# Allegro board C000PD020-3399PRO-DMEB-A-A01.brd (continued)
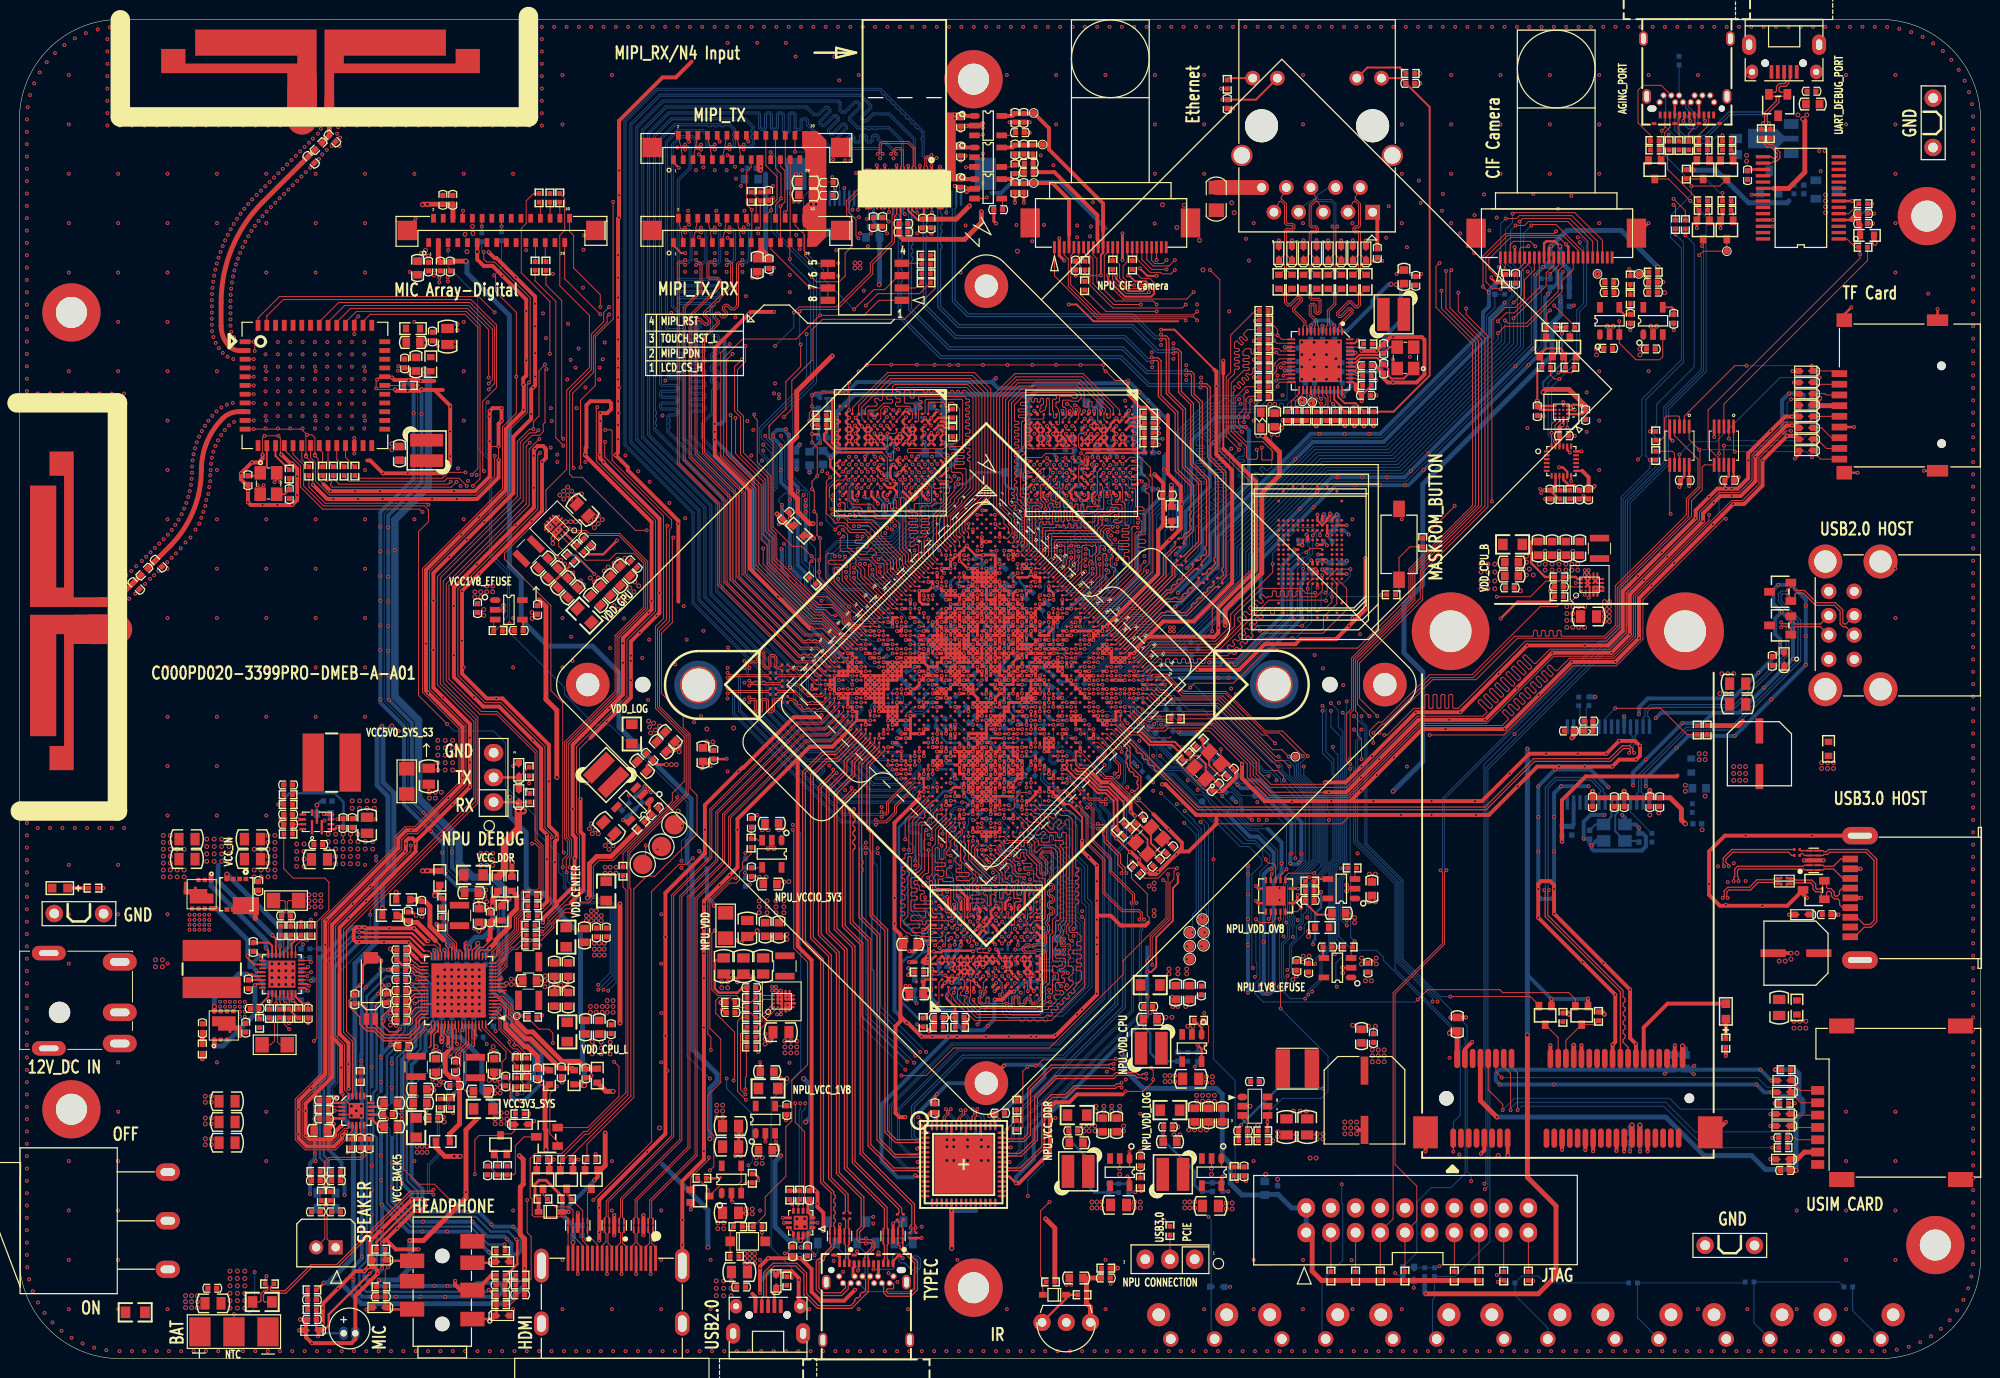
[diagram p0: board, top side]
## Routing (per net, layer and track width the routed paths; a pad name or vN(x,y) marks a point on that pad's centre or on a via; arc(x,y) is an arc through that point) (continued)
DVDD3V3_HUB: length 3.1
  TOP w0.508: FB2800.1 C2804.1 159.89,64.01 v1(159.74,63.87)
  BOTTOM w0.406: U2800.16 159.93,64.05 v1(159.74,63.87)
GND: length 6099.5
  TOP w0.089: 107.77,61.08 v1(107.76,61.08) ; v1(109.14,62.46) 109.14,62.44 110.41,61.17
  TOP w0.102: v1(25.02,93.03) 25.02,94.75 v1(25.22,94.96) v1(26.64,94.96) 26.85,94.75 26.85,93.13 v1(26.95,93.03) ; U3600.T3 104.76,96.29 v1(104.43,95.96) ; U6100.11 v1(24.1,95.64) 29.01,95.64 v1(29.59,95.06) ; U3600.E6 111.91,94.03 111.91,94.03 ; v2(48.95,27.32) v2(49.45,27.32) v2(49.45,27.93) v2(48.95,27.93) ; 76.54,49.23 76.54,49.31 76.77,49.54 v2(76.84,49.54) ; 76.54,49.23 C2243.2 76.54,48.62 ; 76.54,49.23 76.23,49.54 v2(76.12,49.54) 76.07,49.6 C2248.2 ; C2215.2 116.6,35.88 v2(116.87,35.62) ; v2(113.61,23.43) 113.52,23.34 C2233.2 ; C2221.2 v2(119.2,23.84) ; U3600.G4 110.6,95.56 ; C9001.2 161.26,88.46 v1(160.96,88.76) 160.66,88.46 C9004.2 ; 139.3,40.92 v2(139.62,40.6) ; 139.3,40.92 139.33,40.92 v2(139.62,41.21) ; 139.3,40.92 138.42,40.92 ; U3600.H10 109.96,90.76 ; 26.48,90.55 26.48,90.42 v1(26.24,90.18) ; 26.48,90.55 v1(26.85,90.18) ; 26.48,90.55 Y6100.4 ; R5105.1 93.74,112.17 v1(93.7,112.13) 93.74,112.08 R5103.1 ; v1(114.27,52.13) 114.02,51.88 114.02,50.46 114.43,50.05 114.43,49.44 116.05,47.81 116.05,45.58 116.26,45.38 116.26,44.97 116.15,44.87 ; v1(85.37,97.59) 85.37,99.42 85.29,99.5 85.29,99.6 ; v1(72.06,125.23) 71.8,125.49 J5100.10 ; C2231.2 v2(109.55,23.43) 109.44,23.32 C2230.2 ; U3600.F6 111.26,94.03 111.25,94.03 ; ED8302.2 v1(180.26,27.4) ; C4723.2 v1(165.76,105.83) ; v2(113.21,19.57) 113.22,19.58 U2205.2 ; C2216.2 120.4,36.61 v2(120.02,36.23) ; U3600.D3 112.56,96.43 112.56,96.43 ; v2(120.73,34.2) 120.64,34.12 U2202.2 ; C9604.2 132.06,40.85 ; 132.06,40.85 131.81,41.1 131.79,41.1 ; 132.06,40.85 v2(132.11,40.8) ; v1(49.3,92.47) v1(49.3,93.86) 48.64,93.86 48.39,93.61 ; U6100.6 v1(24.1,100.14) ; 120.2,60.29 122.03,58.46 122.74,58.46 C1102.2 ; 120.2,60.29 119,61.5 119,61.99 119.1,61.99 v1(119.1,62.03) ; 120.2,60.29 120.75,60.84 Y1100.4 ; C2012.2 v2(33.3,53.96) v2(33.3,53.2) ; v1(153.39,109.99) 153.39,110.04 153.95,110.6 C4702.2 ; v1(72.87,123.81) 73.08,123.81 73.3,123.58 J5100.13 ; v1(114.07,100.64) 112.75,100.64 111.53,101.86 v1(111.53,102.25) v1(109.18,102.25) v1(106.68,102.25) v1(104.22,102.25) v1(101.68,102.25) v1(99.14,102.25) v1(96.6,102.25) v1(95.7,102.25) v1(94.16,102.25) 92.36,102.25 v1(92.34,102.27) v1(89.71,102.27) 87.17,102.27 v1(87.17,102.22) v1(85.38,100.42) 85.29,100.34 85.29,99.6 ; 163.63,105.85 163.63,106 v2(163.4,106.23) ; 163.63,105.85 U4701.2 ; 163.63,105.85 v2(164.01,106.23) ; v2(76.43,54.42) 76.72,54.71 76.72,54.74 ; v1(117.22,95.76) v1(117.22,96.4) 117.22,96.93 ; R2037.1 25.28,8.25 25.43,8.39 v1(25.43,8.49) ; v2(67.89,62.95) 67.89,63.02 C2276.2 ; 85.29,99.6 85.14,99.45 v1(85.06,99.45) v1(84.23,99.45) v1(82.78,99.45) 81.89,99.45 v1(81.56,99.12) v1(81.56,98) 81.56,97.59 81.28,97.31 81.28,96.8 81.56,96.53 v1(81.56,96.07) v1(81.56,95.15) 81.56,94.29 v1(81.59,94.26) 82.09,93.76 v1(82.09,90.8) 81.56,90.27 v1(81.56,89.46) 81.79,89.24 v1(81.79,87.15) 82.07,86.87 82.07,84.74 v1(82.4,84.41) 82.4,82.28 v1(82.3,82.17) v1(82.3,80.94) 82.3,80.35 85.26,77.38 v1(85.37,77.38) 85.37,77.27 85.85,76.79 85.95,76.79 v1(86.67,76.08) ; v1(34.45,94.74) U6100.23 v1(34.45,93.14) ; v1(85.24,72.57) 82.67,75.14 v1(81.51,75.14) ; C8312.2 137.6,33.88 v2(137.19,34.3) ; v1(38.33,100.95) 38.24,101.04 U6100.32 37.1,101.04 v1(36.8,100.75) 36.7,100.65 v1(36.7,99.83) 36.8,99.83 36.91,99.73 v1(38.63,99.73) ; C2607.2 80.55,10.58 v1(80.29,10.32) 80.03,10.58 C2606.2 ; v2(47.78,77.07) 47.48,76.78 47.47,76.78 ; v1(126.42,96.87) 126.42,97.19 126.62,97.39 126.62,98.41 126.72,98.51 v1(126.72,98.61) ; 30.4,93.03 30.4,94.75 30.1,95.06 v1(29.59,95.06) ; v1(151.21,109.69) v1(150.6,110.3) 150.6,113.45 152.93,115.78 157.91,115.78 v1(158.12,115.99) ; U3600.R4 105.41,95.61 105.41,95.61 ; 136.98,55.94 136.07,55.03 123.16,55.03 ; C7500.2 40.45,111.53 v1(40.16,111.82) ; R7510.1 35.07,29.92 v1(35.18,30.03) ; v2(136.17,40.22) 136.4,40.22 ; 136.4,40.22 136.17,39.99 v2(136.17,39.69) ; 136.4,40.22 U9601.2 ; v1(116.76,65.29) 117.07,65.59 117.98,65.59 118.19,65.39 122.91,65.39 126.95,61.35 126.95,60.07 128.74,58.28 134.34,58.28 ; v1(39.34,24.65) 39.29,24.65 38.93,24.29 C7516.2 ; C9605.2 132.66,41.36 v2(132.72,41.41) ; U2208.2 77.42,52.87 ; 77.42,52.87 77.42,52.72 v2(77.65,52.49) ; 77.42,52.87 v2(77.04,52.49) ; v1(101.18,40.25) 101.44,40.51 ; U9600.2 49.58,77.05 ; 49.58,77.05 49.81,77.28 v2(49.81,77.48) ; 49.58,77.05 49.73,77.05 v2(49.81,76.97) ; U3600.T5 104.76,94.83 ; v1(152.32,111.72) 152.83,112.23 152.83,112.33 152.89,112.38 J4700.2 ; D8901.1 76.41,12.39 v1(76.41,12.96) R2613.2 ; U6100.3 v1(24.1,102.84) ; v1(30.4,92.92) 30.71,92.62 30.71,90.56 31.29,89.98 ; 107.49,94.03 107.43,94.03 U3600.M6 ; v2(169.29,109.69) 169.24,109.74 C4704.2 ; v1(114.33,64.98) 114.43,64.88 115.44,64.88 116.46,63.87 118.34,63.87 118.49,64.02 ; C2238.2 75.12,39.57 v2(75.51,39.18) ; C3648.2 116.65,93.4 R3609.2 117.07,94.24 v1(117.27,94.04) ; 30.2,89.92 30.2,92.11 v1(29.48,92.83) ; U2203.2 122.67,19.58 v2(122.66,19.57) ; 24.78,89.53 Y6100.2 ; 24.78,89.53 24.78,89.61 v1(24.51,89.88) ; 24.78,89.53 v1(25.12,89.88) ; v1(159.13,114.67) 158.42,115.38 153.44,115.38 151.21,113.14 151.21,112.13 152.17,111.16 v1(152.27,111.16) ; v1(121.16,37.25) 121.34,37.43 C1069.2 ; R7511.1 34.09,21.53 v1(33.76,21.19) ; v1(126.16,95.87) 125.81,95.87 125.45,96.23 v1(125.45,96.87) 125.45,97.14 126.01,97.7 126.01,99.22 v1(126.31,99.53) ; C1113.2 118.63,52.65 v1(118.29,53) 117.81,53.48 Y1101.4 ; C4720.2 v1(170.23,105.83) ; v2(49.45,28.43) 49.25,28.64 v2(48.95,28.64) v2(48.34,28.64) ; v2(42.65,28.13) 42.7,28.18 v2(43.21,28.18) 43.46,28.43 v2(43.66,28.43) 43.36,28.74 v2(43.15,28.74) ; C7511.2 30.46,26.17 v1(30.4,26.17) ; 157.92,79.41 157.4,79.41 ; C8315.2 v1(180.37,22.72) ; D6504.2 v1(133.47,115.07) ; 105.41,94.83 105.41,94.83 U3600.R5 ; C2281.2 v2(115.34,21.3) ; 117.22,96.93 v1(117.25,96.93) ; 117.22,96.93 v1(117.22,97.49) ; v2(136.58,48.12) 136.8,48.35 136.96,48.35 ; U3600.R6 105.41,93.96 ; v1(51.54,59.09) 51.38,58.94 ED1300.2 ; C7512.2 38.47,25.21 39.09,25.21 39.24,25.06 v1(39.34,25.06) ; v2(122.15,28.41) 121.77,28.79 C2212.2 ; v2(138.1,41.21) 138.39,40.92 138.42,40.92 ; C4707.2 164.05,110.24 v2(164.01,110.2) 164.08,110.13 C4708.2 ; U6100.4 v1(24.1,101.94) ; v1(152.12,7.88) 152.28,8.04 R9734.1 ; 131.79,41.1 v2(132.11,41.41) ; 131.79,41.1 131.45,41.1 ; v1(33.25,27.24) 33.25,26.88 v2(34.16,25.97) ; C2036.2 v1(29.71,34.52) ; 92.13,40.79 C3111.2 ; C4802.2 v1(108.69,111.43) ; U3600.G3 110.6,96.36 ; C9021.2 108.04,7.77 v1(108.23,7.58) ; v2(139.52,34.2) 139.32,34 C8313.2 ; D6505.2 v1(132.12,115.07) ; R6517.2 139.12,101.15 v1(139.62,100.65) ; v1(75.01,125.23) 74.8,125.44 J5100.16 ; D6507.2 v1(129.58,115.07) ; C2015.2 34.24,54.14 v2(34.06,53.96) v2(34.06,53.2) ; U6100.7 v1(24.1,99.24) ; D9100.2 183.2,97.79 v1(182.7,97.29) ; v1(29.59,95.06) 29.48,94.95 29.48,92.96 ; v1(123.63,62.69) Y1100.2 ; R2221.2 132.33,49.15 v1(132.72,49.54) ; U3600.F12 111.25,89.16 ; v2(137.39,45.38) 136.93,45.83 C2234.2 ; C2232.2 110.76,23.34 v2(110.67,23.43) ; U6100.5 v1(24.1,101.04) ; 76.72,54.74 C2242.2 ; 76.72,54.74 v2(77.04,54.42) ; U2204.2 136.96,48.35 ; 136.96,48.35 v2(136.58,48.73) ; J2600.E7 v1(88.39,10.93) ; v2(138.1,40.6) 138.17,40.67 ; 138.17,40.67 C9603.2 ; 138.17,40.67 138.42,40.92 ; 168.1,105.85 U4700.2 ; 168.1,105.85 v2(168.48,106.23) ; 168.1,105.85 168.1,106 v2(167.87,106.23) ; v1(57.73,57.57) 57.63,57.67 57.63,62.75 58.75,63.87 ; R9601.2 v1(135.76,42.35) C9606.2 ; v2(133.53,23.12) 133.41,23.01 C8309.2 ; J5100.7 70.3,123.54 v1(69.93,123.91) ; C9602.2 v1(50.22,74.92) R9600.2 ; v1(52.76,53) 53.06,53 53.47,52.59 53.47,48.42 53.26,48.22 51.84,48.22 51.64,48.02 51.64,46.16 50.93,45.45 50.93,44.14 48.69,41.9 v1(48.69,41.72) ; v1(134.34,59.29) 134.34,59.19 134.24,59.09 128.79,59.09 127.56,60.33 127.56,61.56 122.82,66.3 118.19,66.3 117.98,66.1 116.46,66.1 v1(116.26,65.9) ; 111.91,94.83 111.91,94.83 U3600.E5 ; Y1101.2 114.88,53.21 v1(114.38,53.71) ; C7510.2 v1(30.35,24.66) ; C2228.2 114.43,15.81 v2(114.73,16.11) ; v1(119.25,64.48) 119.41,64.48 119.51,64.58 122.45,64.58 125.81,61.22 ; v1(24.21,103.69) 24.21,104.54 v1(24.1,104.64) U6100.1 ; v2(38.33,94.14) 38.62,93.85 38.64,93.85 ; C6108.2 38.64,93.85 ; 38.64,93.85 v2(38.33,93.53) ; U3100.P3 102.74,39.01 ; v1(40.77,117.31) 39.91,116.45 J7500.31 ; 110.41,61.17 110.46,61.12 110.57,61.12 111.79,59.9 112.4,59.9 114.99,57.31 115.39,57.31 116.68,56.03 ; ED8303.2 v1(180.16,25.16) ; J2600.E6 86.08,10.66 86.18,10.76 v1(86.18,11.03) ; C1055.2 C2223.2 122.35,23.73 v2(122.15,23.53) ; U6100.10 v1(24.1,96.54) ; C2222.2 v2(120.93,23.53) ; R8309.2 127.49,23.98 v2(127.43,24.04) ; C2218.2 123.88,15.71 v2(124.18,16.01) ; v1(117.17,50.05) 116.65,50.57 C1114.2 ; v1(42.7,111.97) 42.75,111.92 C7503.1 ; v1(118.19,49.85) 118.19,45.27 116.36,43.44 116.36,41.41 116.05,41.11 v1(116.05,40.9) ; C1222.2 78.85,87.04 78.46,87.44 v1(78.46,87.84) ; v2(42.55,28.74) 42.85,29.04 ; 94.89,40.61 U3100.B5 ; v1(34.87,107.25) 34.45,106.83 U6100.39 v1(34.45,105.42) ; v2(117.98,35.11) 117.78,34.91 C2214.2 ; C2280.2 126.01,18.45 v1(126.21,18.25) ; 110.6,94.03 110.61,94.03 U3600.G6 ; D6506.2 v1(130.93,115.07) ; ED8301.2 v1(180.16,23.94) ; U3600.F4 111.25,95.56 ; C2220.2 119.09,22.73 v2(118.8,23.02) ; 47.47,76.78 C9601.2 ; 47.47,76.78 v2(47.78,76.46) ; R9735.1 155.72,8.04 v1(155.78,7.99) ; ED8300.2 v1(180.16,20.51) ; 113.51,27.19 v1(113.82,27.49) 115.65,27.49 116.66,28.51 v1(116.66,28.71) 116.66,29.63 116.46,29.83 v1(116.46,29.93) 114.33,29.93 113.51,30.74 112.9,30.74 v1(112.8,30.85) 112.7,30.74 105.28,30.74 104.67,30.14 v1(104.57,30.14) 103.83,30.14 v1(103.72,30.03) 103.25,29.56 103.25,23.84 103,23.59 R9826.1 ; U8300.2 v2(126.62,25.97) ; C2112.2 41.38,45.55 v2(41.43,45.5) ; v1(35.69,5.04) 35.89,5.24 ED7002.2 ; 98.83,38.21 U3100.H2 ; v1(53.75,43.95) 53.87,43.95 54.58,44.66 54.58,45.07 56.21,46.7 56.52,46.7 56.72,46.9 ; v2(119.2,36.23) 118.98,36.46 C2217.2 ; 53.2,76.6 52.93,76.6 v2(52.76,76.77) ; 53.2,76.6 C9600.2 ; 53.2,76.6 v2(52.76,76.16) ; C9003.2 v1(160.05,94.96) ; D6502.2 v1(136.01,115.07) ; R8310.2 v2(128.96,22.41) ; v1(127.23,48.63) 127.49,48.36 U1300.8 ; 103.44,41.41 U3100.R6 ; v1(68.91,125.23) 68.8,125.34 J5100.4 ; U3600.T4 104.76,95.67 ; C8308.2 131.28,23.01 v2(131.39,23.12) ; C2226.2 139.17,49.49 v2(139.52,49.85) ; U7500.4 34.27,25.11 v2(34.67,25.51) ; v1(39.34,25.56) 39.24,25.66 39.24,25.72 38.93,26.04 C7517.2 ; C7513.2 v1(30.33,24.1) ; D6501.2 v1(137.2,115.07) ; U6100.8 v1(24.1,98.34) ; U3600.E4 111.91,95.56 ; D6503.2 v1(134.66,115.07) ; C6506.2 v1(139.62,99.12) ; D6500.2 v1(138.55,115.07) ; ED8304.2 v1(180.26,28.61) ; C9020.2 112.24,7.74 v1(112.29,7.68) ; U3600.F5 111.25,94.76
  TOP w0.127: R2035.2 24.73,5.83 24.85,5.96 24.85,6.67 25.15,6.97 25.43,6.97 25.58,7.12 25.58,7.38 R2037.1 ; v1(110.31,60.31) 110.23,60.31 109.83,60.72 109.09,60.72 109.02,60.79 109.02,60.79 108.85,60.96 108.68,61.13 U1000.W39
  TOP w0.152: v2(38.18,42.15) 38.28,42.05 C2136.2 ; v1(37.52,38.16) 37.52,38.44 37.16,38.8 v1(37.16,40.09) 37.16,40.88 37.19,40.9 v1(37.19,40.93) ; v1(37.52,38.16) 37.8,38.16 38.28,37.68 38.28,36.15 37.26,35.14 37.26,34.91 v1(37.47,34.71) 37.33,34.57 37.33,34.36 38.07,33.61 38.89,33.61 39.09,33.82 39.09,33.87 v1(39.14,33.92) ; v1(37.52,38.16) 37.77,37.91 C2130.2 ; C2128.1 38.48,35.85 v2(38.18,35.55) ; C2128.1 C2138.2 C2144.2 C2145.2 ; C2128.1 C2137.2 38.28,34.83 v2(38.18,34.94) ; 34.93,38.29 34.82,38.29 34.34,37.81 34.34,37.6 C2133.2 33.94,36.83 33.94,36.23 35.03,35.14 35.03,34.43 35.74,33.72 36.45,33.72 37.47,32.7 40.31,32.7 41.63,34.02 v1(41.63,34.5) ; v2(45.19,37.88) v2(44.48,37.17) 43.79,36.48 41.69,36.48 U?.47
  TOP w0.203: C6504.2 v1(124.89,128.64) ; J4600.25 91.86,118.18 92.08,117.97 ; 107.52,57.06 108.03,57.06 109.35,55.74 v1(109.35,53.29) ; J4600.28 93.06,117.9 93.09,117.87 ; v1(127.13,106.79) 127.2,106.87 R6511.2 ; U4100.AA6 U4100.Y5 U4100.AA4 ; U2003.14 29.56,40.16 v1(29.69,40.3) ; v1(137.72,104.79) 137.41,104.48 U6500.47 ; v1(116.05,39.79) 116.46,39.79 116.97,40.3 116.97,43.34 118.69,45.07 118.69,48.42 119.2,48.93 v1(119.2,49.85) ; R2030.1 v1(27.73,34.5) ; v1(161.47,80.63) 161.47,80.53 161.57,80.43 U2200.C4 U2200.B3 U2200.C2 U2200.C1 161.57,78.4 v1(161.47,78.29) ; 119.25,106.74 110.52,106.74 108.79,108.47 v1(107.98,108.47) ; R6524.2 127.22,104.91 v1(127.03,104.71) ; U2200.B2 U2200.C3 U2200.B4 161.17,80.53 v1(161.07,80.63) ; v1(114.27,52.13) 112.4,54.01 112.4,54.72 112.6,54.93 112.6,57.36 111.79,58.18 110.97,58.18 109.45,59.7 108.68,59.7 U1000.AA40 107.77,60.62 ; v1(68.5,113.75) 68.1,113.75 67.3,114.55 J5101.1 ; U1000.AW25 93.06,59.24 U1000.AV24 ; U1000.AW25 v1(93.06,58.32) U1000.AY25 v1(92.6,57.86) ; U1000.AW25 v1(93.52,58.78) ; U1000.V29 v1(104.55,66.14) ; U1000.AR20 v1(92.6,62.46) ; 122.96,101.76 118.85,105.88 v1(117.48,105.88) ; U1000.AT29 v1(96.27,57.86) ; 107.77,60.62 107.77,61.08 v1(107.76,61.08) U1000.AA38 v1(107.31,60.62) 107.77,60.62 ; U1000.H28 v1(108.22,71.65) U1000.J28 ; R6520.2 v1(127.03,100.99) ; v1(67.84,122.54) 67.3,123.08 J5100.1 ; U4100.K4 134.53,80.74 v1(134.07,81.2) ; v1(109.14,62.46) U1000.V38 U1000.W39 U1000.Y38 107.77,61.08 ; v1(102.71,62.46) U1000.AD31 102.24,62.92 ; v1(102.71,62.46) U1000.AE32 ; v1(102.71,62.46) 102.69,62.44 102.24,62.44 ; v1(112.04,111.47) 112.04,111.01 113.77,109.28 116.46,109.28 116.76,109.59 116.76,109.89 116.31,110.35 ; U4100.Y2 v1(136.58,85.74) ; v1(91.68,60.62) U1000.AV21 91.68,61.08 v1(91.22,61.08) U1000.AV20 v1(90.76,61.54) v1(90.76,62.46) U1000.AV18 ; U1000.AL20 v1(94.44,64.3) ; 116.31,110.35 v1(116.21,110.45) 116.21,110.55 115.9,110.86 114.78,110.86 114.17,111.47 v1(114.07,111.47) ; 116.31,110.35 116.15,110.35 115.71,109.9 arc(115.64,109.86) 115.56,109.84 114.12,109.84 112.85,111.11 v1(112.85,111.47) ; U1000.AA29 v1(102.71,65.22) ; v1(115.29,112.18) 116.05,111.42 v1(117.02,111.42) ; 123.88,93.63 123.88,101.36 ; v1(127.03,102.78) 127.19,102.95 R6519.2 ; U1000.V35 v1(107.31,64.3) ; R2028.2 v1(28.97,44.96) ; U1000.AV17 v1(89.38,62.92) ; U1000.AV14 v1(88.46,63.84) U1000.AV15 ; U1000.AV12 v1(87.08,65.22) ; U1000.AV27 v1(94.44,58.78)
  TOP w0.229: U9000.11 159.27,91.27 158.83,91.7 v1(158.42,91.7) ; U9000.20 159.27,93.5 v1(159.54,93.23) ; U9000.18 v1(160.74,93.35)
  TOP w0.254: v2(75.92,44.03) 75.32,43.43 C2239.2 ; v1(70.23,60.72) 70.33,60.82 C1030.2 70.64,61.44 v1(71.12,60.96) ; J4600.1 v1(93.86,122.79) ; v1(97.87,41) 97.87,41.09 U3100.G6 ; v1(97.87,41) 97.54,41.32 U3100.F6 97.26,41.14 v1(97.26,40.99) ; v1(97.87,41) 97.87,40.94 U3100.F5 ; U3601.K10 88.96,90.9 v1(88.72,91.14) 88.31,91.55 U3601.L9 88.31,91.72 88.48,91.88 88.48,91.91 v1(88.52,91.95) ; C9700.2 v1(190.73,116.8) ; U1000.AF13 v1(93.52,70.73) ; C2115.2 55.04,38.09 55.19,38.24 v2(55.19,38.47) 55.19,38.75 55.04,38.9 C2105.2 ; v1(109.6,91.11) 109.96,90.76 110.34,91.14 v1(110.36,91.14) 110.61,91.38 U3600.G9 110.61,91.65 110.73,91.77 110.73,91.81 110.85,91.94 v1(110.85,91.96) ; v1(88.21,122.79) 88.26,122.75 J4600.15 ; U3600.M5 107.01,94.41 v1(107.01,94.21) ; U3600.M5 107.67,94.44 107.67,94.06 v1(107.71,94.03) 107.86,94.03 107.93,93.96 U3600.L6 ; U3600.M5 107.36,94.83 v1(107.03,95.16) ; v1(87.3,95.2) 87.66,95.56 U3601.M4 87.66,95.65 v1(87.3,96.02) 87.3,95.9 U3601.N4 ; v1(87.3,95.2) 87.66,94.84 U3601.M5 ; v1(87.3,95.2) 87.01,94.91 U3601.N5 87.01,94.68 v1(87.3,94.39) ; v1(87.3,95.2) 87.01,95.49 U3601.N4 ; v1(97.26,40.99) 97.26,40.89 U3100.F5 ; v1(97.26,40.99) 96.89,41.36 U3100.E6 96.55,41.07 v1(96.55,41) 96.55,40.96 U3100.E5 ; v1(97.26,40.99) U3100.E5 ; v1(95.33,41) 94.95,40.61 94.89,40.61 94.62,40.89 v1(94.62,41) 94.62,41.1 94.93,41.41 U3100.B6 94.94,41.38 v1(95.33,41) ; v1(95.33,41) 95.59,41.26 U3100.C6 ; v1(95.33,41) 95.59,40.73 U3100.C5 ; C2615.2 74.7,15 v2(74.8,14.9) ; U2206.B3 U2206.B2 U2206.C2 ; U2206.B3 U2206.C3 ; U2206.B3 U2206.B4 ; v1(91.87,94.31) 91.57,94.01 U3601.F6 91.56,94.04 v1(91.24,94.36) ; v1(91.87,94.31) 92.17,94.01 U3601.E6 ; v1(91.87,94.31) 92.21,94.65 U3601.E5 92.21,94.89 91.9,95.2 91.9,95.22 ; U1000.C17 106.13,79 106.39,78.75 U1000.C18 ; C2237.2 77.53,32.97 v2(77.24,32.68) ; U3600.M4 107.36,95.48 v1(107.03,95.16) ; v1(74.3,42.84) 74.5,43.04 74.5,43.56 ; U2206.B4 78.04,37.67 v1(77.85,37.86) ; U2206.B4 U2206.C4 ; v1(101.73,40.08) 101.44,40.37 U3100.M5 101.44,40.76 ; v1(101.73,40.08) 101.68,40.08 101.44,39.85 U3100.M4 ; v1(101.73,40.08) 102.09,40.45 U3100.N5 102.09,40.72 101.77,41.04 v1(101.75,41.04) ; v1(101.73,40.08) 101.78,40.08 102.04,39.81 U3100.N4 102.09,39.66 v1(102.31,39.45) 102.74,39.01 ; 103.76,41.1 103.44,41.41 U3100.R6 103.11,41.14 v1(103.11,41.03) 103.14,41.03 103.39,40.78 103.39,40.73 ; 103.76,41.1 v1(103.76,41.05) ; 103.76,41.1 104.04,41.38 U3100.T6 ; U3100.F5 v1(97.18,40.26) ; U3100.F5 97.54,40.51 97.87,40.18 ; v1(97.18,40.26) 97.18,40.11 U3100.E4 ; v1(97.18,40.26) 96.89,40.55 U3100.E5 ; v1(97.18,40.26) 97.54,39.9 U3100.F4 ; v1(91.24,96.86) 90.91,96.54 U3601.G3 90.91,96.28 v1(91.24,95.96) ; v1(111.18,88.73) 111.25,88.8 111.25,89.16 ; v1(77.85,37.86) v1(77.44,37.86) ; v1(77.85,37.86) v1(77.85,38.26) v1(77.44,38.26) ; v1(77.85,37.86) v1(78.36,37.86) 78.44,37.78 U2206.C4 ; v1(107.01,94.21) 106.75,93.96 U3600.N6 ; v1(107.01,94.21) 107.27,93.96 U3600.M6 107.41,93.96 107.49,94.03 ; v1(107.01,94.21) 106.71,94.52 U3600.N5 ; v1(114.18,97.56) 113.86,97.23 U3600.B2 113.86,97.08 113.61,96.84 v1(113.53,96.76) 113.53,96.68 U3600.C3 112.88,96.68 v1(112.88,96.76) 112.27,96.15 112.27,95.92 111.91,95.56 ; Q2600.2 v1(69.08,15.34) ; v1(88.34,87.96) 88.34,88.07 87.66,88.75 U3601.M12 ; 98.83,38.21 v1(98.46,38.59) 98.19,38.85 U3100.G3 ; U3601.F5 91.56,94.69 v1(91.24,94.36) ; U3601.F5 91.56,94.89 91.9,95.22 ; U3601.F5 90.91,95.46 U3601.G4 90.91,95.63 v1(91.24,95.96) ; U3601.B12 94.16,89.08 v1(94.44,88.8) ; v1(92.38,34.4) 92.43,34.4 92.69,34.15 R3100.2 ; C2101.1 54.05,38.9 v2(54.08,38.87) ; U3600.P3 106.06,96.27 v1(106.36,95.96) 106.71,95.62 U3600.N4 106.71,95.5 ; U9704.5 169.82,94.74 v1(170.1,94.45) ; U3600.K2 108.7,97.2 108.7,97.45 108.79,97.54 v1(108.79,97.62) ; 97.54,39.76 97.54,39.69 v1(97.87,39.37) 98.19,39.69 U3100.G4 98.19,39.86 97.87,40.18 ; 97.54,39.76 v1(97.18,39.4) 97.18,39.52 U3100.E4 ; 97.54,39.76 U3100.F4 ; U1000.AW10 U1000.AY10 85.52,65.03 v1(85.52,64.83) ; v1(105.08,95.16) 105.41,94.83 105.41,94.54 v1(105.08,94.21) ; v1(105.08,95.16) 104.75,94.83 104.75,94.54 v1(105.08,94.21) ; v1(105.08,95.16) 105.41,95.48 105.41,95.61 v1(105.05,95.96) ; v1(105.08,95.16) 104.75,95.48 104.75,95.56 ; C2273.2 64.57,61.02 C2274.2 65.66,61.12 v2(66.57,61.12) ; v1(105.05,95.96) 105.05,96.06 104.75,96.36 104.43,96.03 v1(104.43,95.96) 104.43,95.88 104.75,95.56 ; v1(105.05,95.96) 104.75,95.66 104.75,95.56 ; U2102.52 95.91,21.23 U2102.57 97.41,20.23 ; Y2100.3 35.33,40.43 35.33,38.69 v1(35.09,38.45) 34.93,38.29 ; v1(93.75,26.53) 94.06,26.22 C9940.2 94.21,26.99 v1(94.41,27.19) ; v1(85.39,94.41) 85.71,94.09 U3601.R6 ; v1(85.39,94.41) 85.06,94.09 U3601.T6 ; v1(85.39,94.41) 85.06,94.74 U3601.T5 85.06,94.89 v1(85.39,95.21) ; v1(85.39,94.41) 85.71,94.73 U3601.R5 85.71,94.89 v1(85.39,95.21) ; U3100.D3 v1(96.57,39.34) 96.57,39.49 U3100.E4 ; U3100.D3 96.24,38.96 v1(95.94,38.66) 95.59,39 U3100.C3 ; U3100.D3 96.24,39.07 95.96,39.34 v1(95.96,39.37) 95.94,39.37 95.59,39.03 ; 104.04,39.09 104.04,39.12 104.3,39.37 v1(104.37,39.37) 104.37,39.47 104.04,39.8 ; 104.04,39.09 v1(103.76,39.37) ; 104.04,39.09 U3100.T3 U3100.T2 104.37,37.89 v1(104.37,37.8) ; v1(91.24,95.96) 91.24,95.94 U3601.F4 ; v1(91.24,94.36) 90.91,94.04 U3601.G6 ; v1(103.76,39.37) 104.04,39.65 104.04,39.8 ; v1(103.76,39.37) 103.39,39.74 U3100.R4 104.04,40.46 U3100.T5 104.04,40.82 103.81,41.05 v1(103.76,41.05) ; v1(95.36,56.94) 95.81,56.94 U1000.AV30 ; 106.71,95.5 v1(106.36,95.15) 106.36,95.1 U3600.N5 ; 106.71,95.5 106.71,95.48 v1(107.03,95.16) ; U3601.N6 87.01,94.1 v1(87.3,94.39) ; 156.89,112.42 v1(156.79,112.33) ; R3603.2 96.04,94.65 v1(96.14,94.55) ; U2207.2 v1(76.76,22.34) ; v1(132.92,82.15) 133.07,82.01 U4100.M7 ; C2270.2 61.24,53.76 v2(60.68,53.2) ; 95.59,39.03 95.59,39.13 v1(95.29,39.43) ; 95.59,39.03 U3100.C3 ; U3601.F4 91.56,95.54 91.84,95.26 91.9,95.26 ; U3601.F4 91.89,95.94 v1(91.89,96.01) 92.21,95.69 U3601.E4 92.21,95.53 91.94,95.26 91.9,95.26 ; v1(91.26,91.17) 91.26,91.26 U3601.G9 ; v1(107.03,95.16) 106.71,94.83 U3600.N5 ; 101.44,40.76 101.19,41.02 v1(101.19,41.04) ; 101.44,40.76 101.72,41.04 v1(101.75,41.04) ; v1(50.8,60.96) 51.05,61.21 ED1301.2 ; v2(57.73,86.12) v2(57.23,86.12) v2(56.72,86.12) v2(56.21,86.12) 56.02,86.12 U2201.C1 55.48,85.58 ; U9700.21 v1(178.25,119.77) ; 111.91,95.56 111.91,95.48 v1(111.58,95.16) ; 111.91,95.56 111.91,95.63 v1(111.58,95.96) 111.58,95.88 111.25,95.56 ; U2206.C2 U2206.C3 ; U2206.C2 U2206.C1 78.44,35.9 v1(78.36,35.82) v1(78.36,35.42) v1(77.95,35.42) ; v1(101.89,47.35) 101.88,47.35 101.44,46.91 U3100.M12 ; v1(85.39,96.01) 85.39,95.97 85.71,95.65 U3601.R4 85.71,95.53 v1(85.39,95.21) ; v1(85.39,96.01) 85.06,95.68 U3601.T4 85.06,95.54 v1(85.39,95.21) ; v1(85.39,96.01) 85.06,96.34 U3601.T3 85.06,96.49 v1(85.39,96.81) 85.06,97.14 U3601.T2 85.06,97.28 v1(85.37,97.59) ; U3601.J4 89.27,95.95 v1(89.27,95.99) ; U3100.F4 97.87,40.14 97.87,40.18 ; U3600.T6 104.82,93.96 v1(105.08,94.21) ; J9100.11 v1(195.97,91.36) ; v1(132.44,84.77) 132.57,84.64 U4100.U8 ; U2201.B4 U2201.C4 ; U2201.B4 U2201.B3 ; U2201.B4 55.2,84.7 54.92,84.42 ; U2201.C4 54.92,84.42 ; U2201.C4 U2201.C3 ; C2009.2 27.2,55.69 v1(27.36,55.54) ; v1(140.23,112.94) 139.87,113.3 C6502.2 ; U4100.AA6 v1(133.57,86.85) ; U1000.AK36 U1000.AM34 ; C2006.2 42.11,58.35 v2(42.19,58.28) ; v1(94.89,81.3) 94.89,81.08 95.15,80.83 v1(95.15,80.83) ; v1(87.99,94.41) 87.99,94.49 U3601.M5 ; v1(87.99,94.41) 88.31,94.09 U3601.L6 ; v1(87.99,94.41) 87.66,94.09 87.66,94.03 ; U3601.B5 94.16,94.86 93.84,95.18 93.84,95.22 ; U3601.B5 94.49,95.14 v1(94.49,95.21) ; U3601.B5 94.16,94.65 v1(93.83,94.31) ; v1(95.58,97.49) 95.79,97.71 R3601.2 ; J2600.A1 84.39,10.49 v1(84.25,10.63) 84.22,10.66 J2600.E5 ; v1(93.5,88.36) 93.5,88.36 93.43,88.43 93.32,88.43 93.07,88.68 93.07,88.7 92.86,88.91 92.86,89.21 U3601.D12 92.55,89.52 v1(92.55,89.68) ; v1(101.75,41.04) 101.75,41.07 ; U2206.C3 U2206.C4 ; v1(93.83,94.31) 93.53,94.01 U3601.C6 ; v1(93.83,94.31) 94.13,94.01 U3601.B6 ; v1(93.83,94.31) 93.51,94.63 U3601.C5 93.51,94.89 93.84,95.22 ; v1(65.96,57.06) 65.72,56.81 C2277.2 ; v1(76.02,18.35) 76.02,18.65 75.67,19 R2615.2 ; J4700.26 166.6,115.8 v1(167.64,116.84) ; 55.48,85.58 U2201.B2 U2201.B3 ; 55.48,85.58 U2201.C3 ; U3601.M6 87.66,94.03 ; 87.66,94.03 v1(87.3,94.39) ; 111.58,94.36 111.91,94.03 ; 111.58,94.36 111.25,94.03 111.25,93.96 110.93,94.28 v1(110.93,94.36) ; 111.58,94.36 111.91,94.68 111.91,94.83 v1(111.58,95.16) ; 111.58,94.36 111.58,94.43 111.25,94.76 ; U3601.J12 89.61,89.16 v1(89.3,88.85) ; v1(182.7,92.62) 183.2,93.11 ED9100.2 ; v2(46.96,47.1) 47.07,47.1 47.32,46.85 C2110.2 ; v1(104.08,80.7) 104.09,80.81 v1(104.09,81.3) ; v1(104.08,80.7) 103.76,80.38 U1000.E12 ; v1(104.08,80.7) 104.39,80.38 U1000.C14 ; U3100.E4 96.55,40.16 v1(96.55,40.18) 96.55,40.28 96.88,40.61 U3100.E5 ; U4100.T5 v1(133.53,83.74) ; C2114.2 56.17,37.96 v2(55.8,37.96) 56.46,38.62 C2106.2 ; U3601.K2 88.96,97.31 89.17,97.51 89.17,97.64 89.18,97.64 89.18,97.62 v1(89.18,97.62) ; v1(102.91,46.6) 102.74,46.43 U3100.P12 ; U3600.B6 113.86,94.03 v1(113.53,94.36) ; v1(72.26,35.93) 72.57,35.62 C2279.1 ; U1000.AT35 v1(99.46,55.56) ; v2(43.15,28.74) 42.85,29.04 C2126.2 ; U3601.H2 90.26,97.29 90.5,97.53 90.5,97.6 v1(90.54,97.6) ; 91.9,95.22 91.9,95.26 ; J4600.4 v1(92.66,122.77) ; v2(40.82,45.6) 40.47,45.95 C2113.2 ; J8200.2 v1(64.96,8.7) ; v2(75.51,39.18) v2(73.38,39.18) 72.86,39.18 C2250.2 ; J4700.15 159.39,114.41 v1(159.13,114.67) ; v1(172.6,116.33) Q9705.2 172.81,117.29 R9726.2 ; 111.25,95.56 110.93,95.88 ; 111.25,95.56 111.25,95.48 v1(111.58,95.16) ; 110.93,95.88 110.6,95.56 110.27,95.89 v1(110.27,95.96) 110.27,96.02 110.6,96.36 110.93,96.03 v1(110.93,95.96) 110.93,95.88 ; v1(76.2,30.48) 76.24,30.44 C2257.2 ; U2201.B3 U2201.C3 ; 111.25,94.76 110.93,94.43 v1(110.93,94.36) ; 111.25,94.76 111.58,95.08 v1(111.58,95.16) ; C2125.2 42.55,27.72 v2(42.65,27.62) ; C1059.2 77.25,43.45 v2(77.44,43.65) ; v1(104.54,88.84) 104.76,89.05 U3600.T12 ; U9702.9 175.89,90.78 C9708.2 175.49,89.61 v1(175.59,89.51) ; C4703.2 v1(169.15,110.77) ; U2102.10 92.31,18.73 v1(92.18,18.86) ; v1(107.75,88.78) 107.57,88.96 107.55,88.96 U3600.M12 ; U3100.C3 v1(95.23,38.65) 94.94,38.36 U3100.B2 ; v1(101.19,41.04) 101.19,41.07 101.44,41.32 ; v1(101.19,41.04) 101.16,41.04 U3100.L6 100.79,41.8 v1(100.48,42.11) ; 103.39,40.73 103.71,41.05 v1(103.76,41.05) ; 103.39,40.73 U3100.R5 103.39,40.46 U3100.T4 104.04,39.8 ; v1(89.03,122.79) 89.06,122.76 J4600.13 ; 91.9,95.26 v1(91.89,95.26) ; 91.9,95.26 91.9,95.26 ; J8200.11 v1(60.46,8.7) ; v1(92.83,12.43) 92.81,12.4 R2607.2 R2606.2 ; v1(99.75,39.4) 99.75,39.56 U3100.J4 ; C2282.2 75.56,55.58 v1(75.92,55.94) ; v1(102.54,18.04) 101.86,18.73 U2102.33 ; v1(78.87,24.55) 78.97,24.65 C2256.2 ; U3601.N4 v1(86.7,95.92) 86.36,96.26 U3601.P3 86.36,96.49 v1(86.04,96.81) ; U3100.N6 101.75,41.07 101.75,41.07 ; ED9106.2 v1(182.45,101.61) ; U2606.2 73.26,16.23 v1(73.38,16.11) ; v1(175.04,116.33) Q9706.2 175.24,117.29 R9727.2 ; v1(113.53,94.36) 113.86,94.68 U3600.B5 113.86,94.83 113.56,95.13 113.5,95.13 ; v1(113.53,94.36) 113.21,94.03 U3600.C6 ; v1(113.53,94.36) 113.21,94.68 U3600.C5 113.21,94.83 113.5,95.13 ; v1(92.38,21.6) 92.5,21.73 U2102.4 ; 97.41,20.23 v2(97.56,20.38) 98.91,21.73 U2102.46 ; 97.41,20.23 U2102.49 ; v1(91.89,88.9) 91.93,88.86 91.93,88.85 U3601.F12 ; C9701.2 v1(190.83,117.82) ; C1032.2 72.73,61.69 v1(72.77,61.73) ; U1000.J3 96.73,82.05 v1(96.74,82.05) 96.82,82.05 97.57,81.3 v1(97.65,81.3) ; U1000.J3 96.3,82.68 v1(96.3,82.68) ; U1000.J3 96.73,82.89 96.99,83.14 U1000.H3 97.19,83.37 v1(97.5,83.67) 97.5,83.55 98.36,82.68 U1000.G5 98.57,82.68 99.19,82.68 v1(99.19,82.68) U1000.E7 ; v1(113.5,95.13) 113.5,95.13 113.5,95.13 ; U3601.C3 93.19,96.73 93.19,96.74 ; U3601.C3 93.83,96.73 v1(93.83,96.8) 94.16,97.14 U3601.B2 94.46,97.51 v1(94.46,97.54) ; U3601.C3 93.51,96.32 v1(93.82,96.02) ; ED2100.2 52.62,24.11 v1(52.96,24.45) ; U3601.T12 85.06,89.18 v1(84.71,88.83) ; U3100.B12 94.94,46.26 v1(94.62,46.58) ; R4706.2 165.75,112.01 v1(165.63,112.13) ; v1(105.08,94.21) 105.34,93.96 105.41,93.96 ; U2102.7 v1(92.43,20.23) ; U3601.D3 93.19,96.74 ; 93.19,96.74 v1(93.19,96.78) ; U3600.B12 113.86,89.08 v1(114.18,88.76) ; C2206.2 157.92,79.41 v1(157.51,79) ; U1000.AW39 v1(99.03,52.35) ; U1000.AP36 100.41,56.02 v1(100.88,56.02) ; 93.84,95.22 v1(93.84,95.26) ; U2102.39 v1(102.01,21.73) ; v1(144.25,111.62) 143.99,111.36 C6514.2 ; 101.44,41.32 101.49,41.32 101.75,41.07 ; 101.44,41.32 U3100.M6 ; U9700.7 v1(188.57,119.12) ; v1(26.85,55.54) 26.85,55.33 C2010.2 ; v1(86.21,88.8) 86.36,88.95 U3601.P12 ; v2(48.08,46.39) 48.44,46.04 C2108.2 ; C2614.2 74,22.81 v2(73.79,23.02) ; v1(81.56,95.15) 81.61,95.1 C3653.2 ; C2240.2 v1(78.11,21.45) ; v1(105.78,88.78) 105.78,88.84 106.06,89.12 U3600.P12 ; U3601.G9 91.25,91.95 v1(91.26,91.95) ; U3601.G9 90.91,91.5 v1(90.57,91.16) 90.26,90.85 U3601.H10 ; 54.92,84.42 v2(54.89,84.39) v2(54.89,83.88) ; U9704.9 171.32,90.78 C9710.2 170.92,89.77 v1(170.82,89.67) ; v1(133.57,79.33) U4100.H6 ; v1(100.51,38.66) 100.14,38.29 U3100.K2 ; U4100.AA4 134.57,86.47 134.85,86.75 v1(134.85,86.95) ; U3601.M5 87.66,94.75 v1(87.3,94.39) ; v1(117.22,96.4) 117.09,96.27 R3602.2 116.48,96.27 ; U2102.36 v1(101.88,20.23) ; v1(50.52,10.53) 50.33,10.34 ED7001.2 ; U1000.R21 U1000.P21 ; J8200.17 v1(57.46,8.7) ; v1(96.73,55.56) U1000.AV33 ; v1(109.66,95.96) 109.31,95.61 U3600.J4 ; R3611.2 v1(81.56,96.07) ; U9700.26 v1(180.39,116.52) ; U1000.AK38 v1(103.17,56.48) ; v1(108.33,90.39) 108.34,90.39 108.34,90.42 108.39,90.42 108.66,90.68 U3600.K10 108.66,90.83 v1(108.33,91.16) 108.33,91.23 U3600.L9 ; v2(74.3,23.02) 74,23.32 C2613.2 ; U4100.P5 v1(133.63,82.74) ; J9100.10 v1(189.14,91.16) ; U9702.5 v1(174.39,94.84) ; v2(41.83,25.49) 41.93,25.58 C2124.2 ; U1000.U23 v1(102.71,69.81) ; v1(90.88,10.32) 90.55,10.66 J2600.E8 89.89,10.03 J2600.A12 ; U2000.10 v1(28.65,55.48) ; v1(109.58,88.86) 109.56,88.86 109.31,89.11 U3600.J12 ; J4600.10 v1(90.26,122.78) ; J8200.5 v1(63.46,8.7) ; J8200.8 v1(61.96,8.7) ; C2117.2 47.63,47.94 47.88,47.69 v2(47.88,47.61) ; v1(110.93,94.36) 110.6,94.03 ; C7002.2 v1(36.2,6.36) ; C2275.2 67.21,62.47 v2(67.39,62.65) ; R3600.2 116.02,97.92 115.32,97.92 114.07,99.17 v1(114.07,100.64) ; U2600.8 v1(78.57,14.48) ; U4100.R10 v1(131.19,83.24) ; C1073.2 78.78,43.45 v2(78.97,43.65) ; 103.17,81.3 U1000.C11 v1(103.63,81.76) ; U9700.25 v1(180.41,117.17) ; v1(141.71,111.62) 142.1,112.01 C6513.2 ; J4600.7 v1(91.46,122.74) ; v1(188.49,108.16) 187.77,107.44 J9100.13 ; U1000.K26 v1(106.85,72.11) ; U1000.C24 v1(109.14,76.25) ; J9100.12 v1(197.37,108) ; U9001.C1 v1(160.05,97.63) ; J9100.6 v1(188.78,95.86) ; U9001.D2 v1(158.87,98.42) ; ED9105.2 v1(182.6,100.44) ; v1(161.07,81.13) 161.46,81.13 v1(161.47,81.14) v1(161.47,80.63) v1(161.07,80.63) v1(161.07,81.13)